# Altium PCB 电解模块主控板_V1.1_ZM_20211015.PcbDoc (part 2 of 2)
Units mm, origin at the board's own origin, x right, y up, seen from the top; angles counter-clockwise.
Board outline 95.22 x 89.27 mm, 2 copper layers (Top Layer, Bottom Layer); 544 components, 330 nets, 1583 pads, 0 vias.
Unrouted connection lines stored in the file: 971.
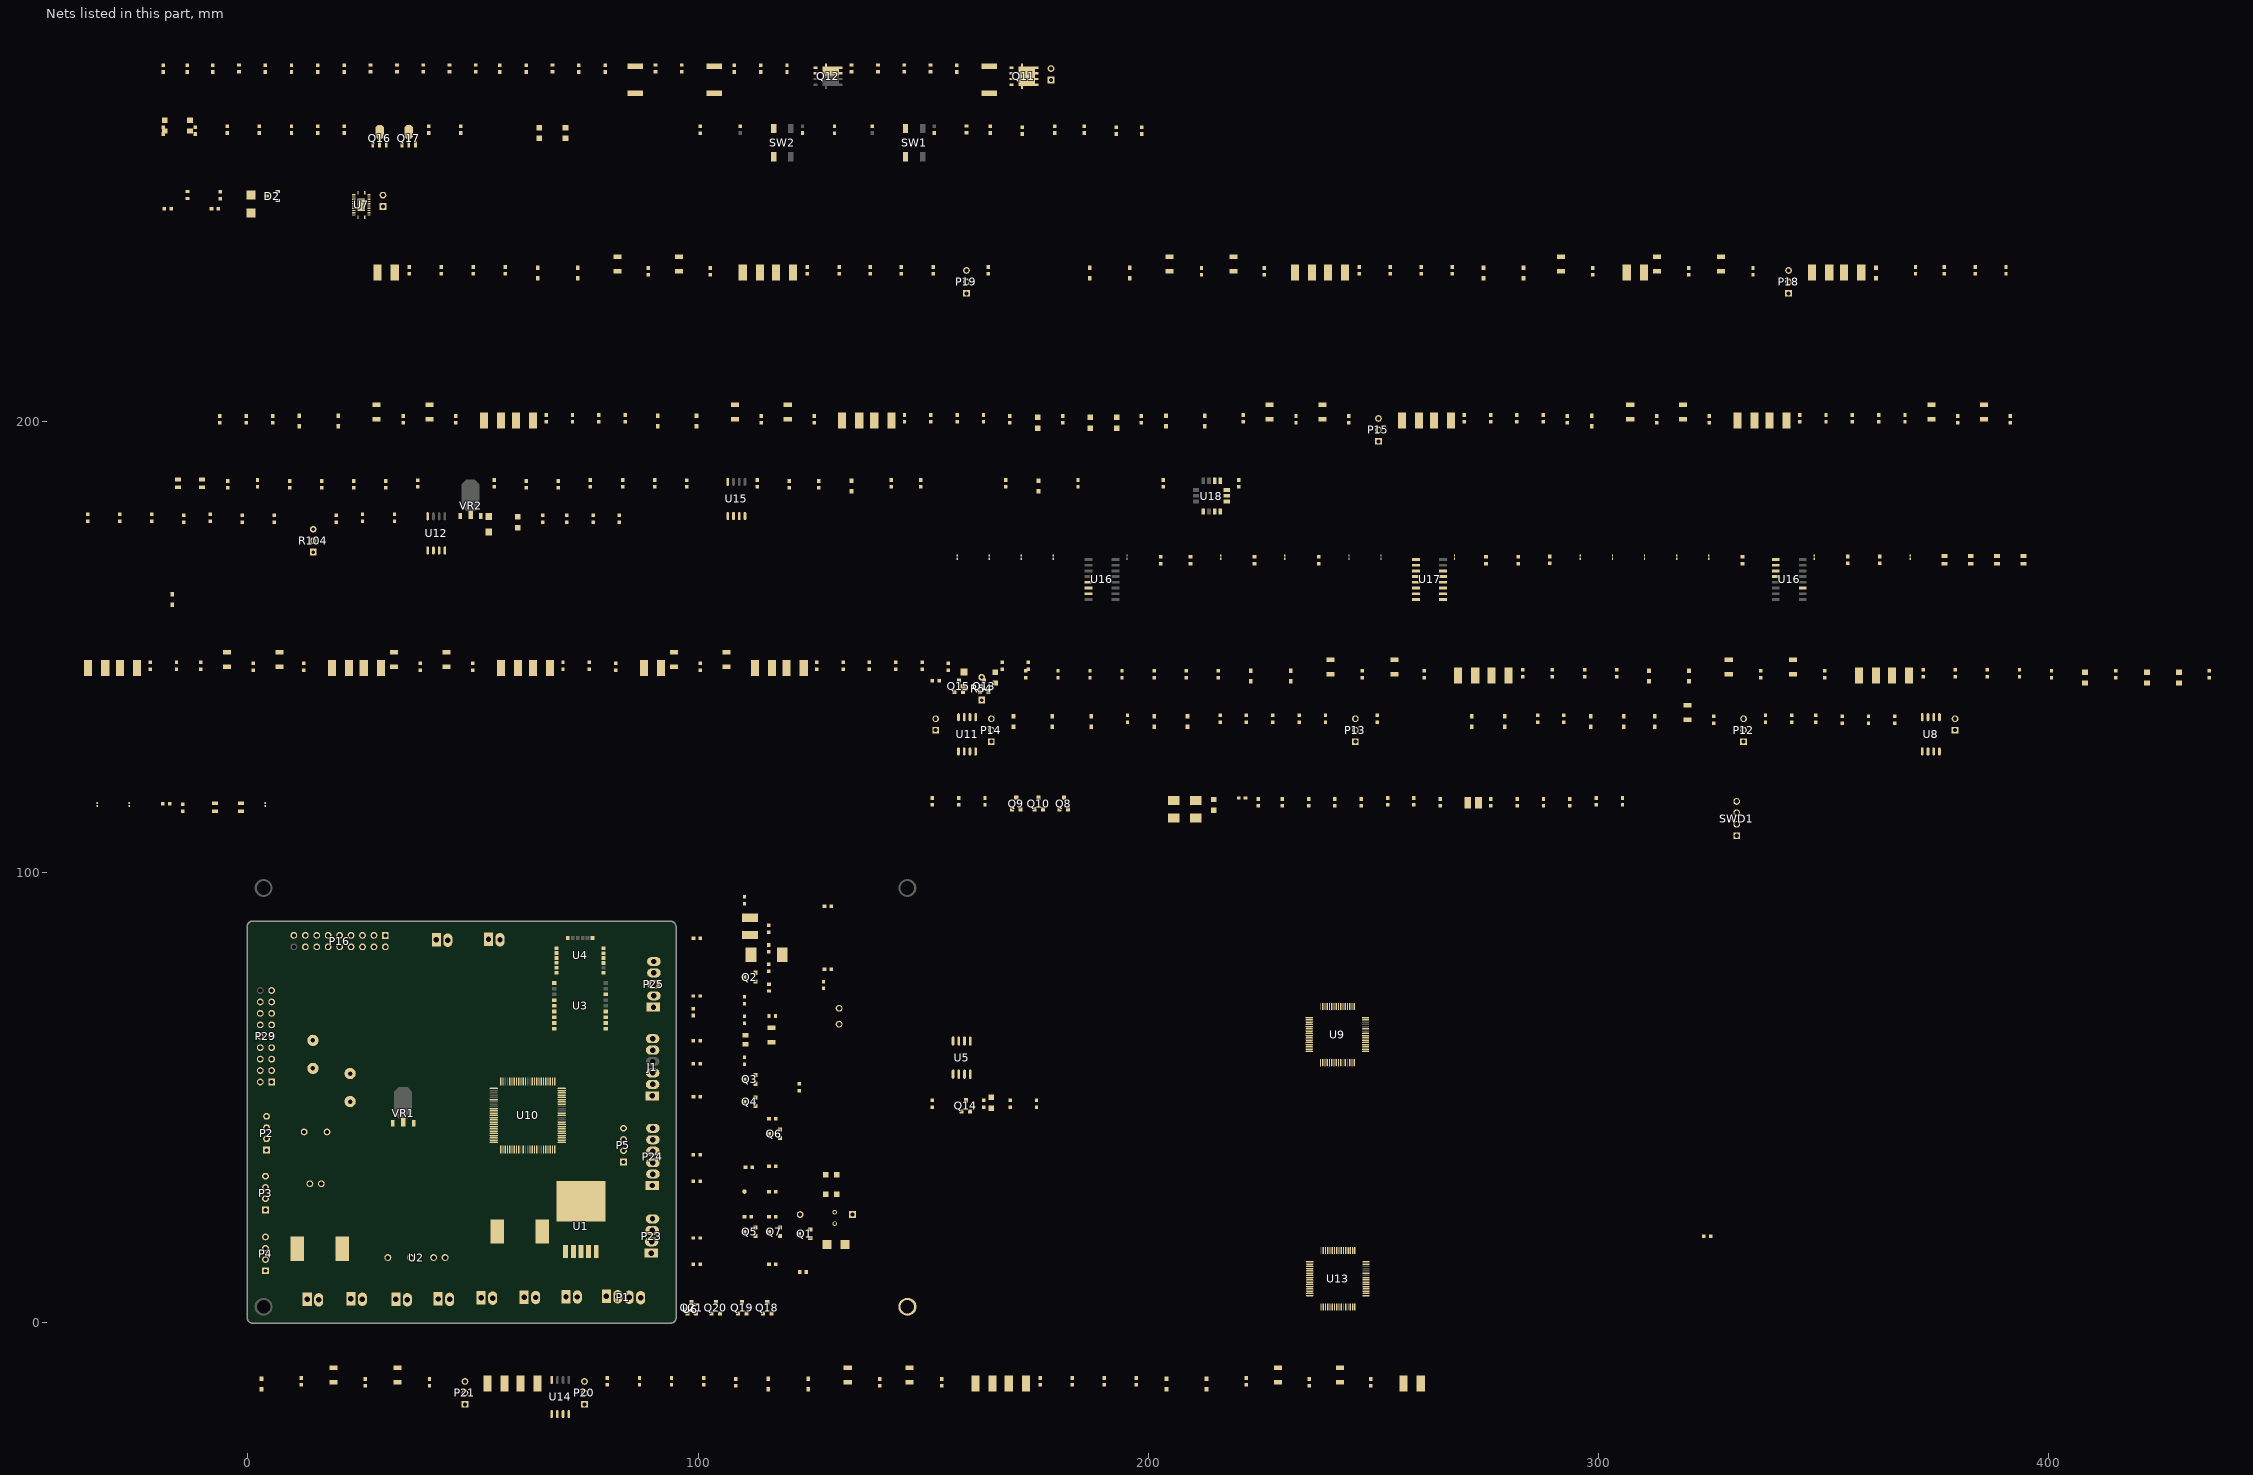
[diagram p2: the nets of this part, all layers, seen from the top]

## Part data
C1 C2 C8: library part CAP2, "电解电容"
C3 C4 C10 C13 C42 C43 C44 C46 C47 C48 C49 C53 C54 C58 C59 C60 C61 C62 C63 C64 C65 C66 C67 C68 C69 C70 C72 C73 C74 C75 C82 C83 C84 C85 C86 C87 C88 C89 C102 C103 C104 C105 C106 C107 C108 C109 C110 C111 C112 C113 C114 C115 C116 C117 C118 C119 C120 C121 C122 C123 C125 C126 C127 C128 C135 C136 C137 C138 C139 C140 C141 C142 C151 C153 C154 C167 C170 C171: library part CAP4, "贴片电容 10%"
C5 C6 C7 C11 C16 C17 C18 C35 C37 C38 C39 C40 C41 C45 C51 C52 C55 C56 C57 C71 C76 C77 C78 C79 C80 C81 C90 C91 C92 C93 C94 C95 C96 C97 C98 C99 C100 C101 C124 C129 C130 C131 C132 C133 C134 C143 C144 C145 C146 C147 C148 C149 C150 C152 C165 C166 C168 C169 NC: library part CAP4, "贴片电容 20%"
C9 C12 C14 C15 C21 C22 C23 C24 C25 C26 C27 C28 C29 C30 C31 C32 C33 C34 C155 C156 C157 C158 C159 C160 C161 C162 C163: library part CAP, "Capacitor"
C19 C20 C36 C50 C164: library part CAP4, "贴片电容 5%"
D1: library part D_ESD
D3 D4: library part DIODE
D5 D6: library part DIODE_LED, "Diode"
D7 D8: library part DIODE2, "二极管 M7"
DS1 DS2 DS3 DS4 DS5 DS6 DS7 DS8 DS9 DS10 DS11 DS12 DS13 DS14 DS15 DS16 DS17 DS18 DS19 DS20 DS21 DS22 DS23 DS24 DS25 DS26 DS27 DS28 DS29 DS30 DS31 DS32 DS33 DS34 DS35: library part DISCHARE-1, "气体放电管 90V"
F1: library part Inductor, "Inductor"
F2: library part "Fuse 1", "Fuse"
J1: library part CON6, "Connector"
JC1 JC2 JC3: "Connector"
L1 L4: library part IND
L3: library part CIZHU1, "磁珠电感 100R 100MHz"
LED1: library part LED0, "LED 3528 蓝"
LED2: library part LED
NC R9 R10 R11 R12 R19 R20 R21 R22 R34 R35 R36 R37 R38 R39 R40 R41 R42 R43 R44 R45 R46 R47 R48 R49 R50 R51 R52 R53 R55 R64 R71 R76 R78 R79 R83 R92 R101 R102 R103 R105 R110 R117 R122 R127 R136 R145 R180 R181 R182: library part RES2, "贴片电阻 5%"
P1 P23: library part SIP-4
P2 P3 P4 P5: library part HDR1*4
P6 P7 P8 P9 P26 P28: "Header, 2-Pin"
P10: library part RES3, "卧贴"
P11 P17: library part "Header 2", "Header, 2-Pin"
P12 P13 P14 P15 P18 P19 P20 P21: library part "Header 3", "Header, 3-Pin"
P16 P29: "Header, 9-Pin, Dual row"
P22 P27: library part SIP-2, "2.54mm- 2P立贴"
P24: library part SIP-6, "血压计接口"
P25: library part SIP-5, "心音传感器接口"
Q1 Q2 Q4 Q6: library part "MOSFET P", "MOSFET P"
Q3 Q5 Q7 Q8 Q9 Q10 Q13 Q14 Q15: library part NPN-1, "NPN"
Q11 Q12: library part SI7940DP
Q16 Q17: library part NPN-TO252, "NPN TO252"
Q18 Q19: library part PNP, "PNP"
Q20 Q21: library part NPN-1, "三极管"
R1 R2 R3 R4 R5 R6 R7 R13 R14 R15 R16 R17 R18 R183 R184 R185 R186: library part R, "贴片电阻 5%"
R8: library part RES
R23 R24 R146 R147 R148 R149 R150 R151 R152 R153 R154 R155 R156 R157 R158 R159 R160: library part R, "贴片电阻 1%"
R25 R26 R27 R28 R29 R30 R31 R32 R33 R56 R57 R58 R59: library part RES0, "贴片电阻 5%"
R54 R104: library part RES4, "可调电阻"
R60 R61 R62 R63 R65 R66 R67 R68 R69 R70 R72 R73 R74 R75 R77 R80 R81 R82 R84 R85 R86 R87 R88 R89 R90 R91 R93 R94 R95 R96 R97 R98 R99 R100 R106 R107 R108 R109 R111 R112 R113 R114 R115 R116 R118 R119 R120 R121 R123 R124 R125 R126 R128 R129 R130 R131 R132 R133 R134 R135 R137 R138 R139 R140 R141 R142 R143 R144: library part RES0, "贴片电阻 1%"
R161 R162 R165 R166 R167 R168 R169 R170 R171 R172 R173 R174 R175 R176 R177 R178 R179 RC1 RC2 RC3 RC4 RC5 RC6 RC7 RC8: library part RES2
R163 R164: library part RES-SMD
R187 R188 R189 R190: library part RES-SOP, "贴片电阻 5%"
SW1 SW2: "3*6*3.5侧贴按键(编带)"
SWD1: library part SIP-4, "ISP 下载"
TVS1 TVS2 TVS5 TVS6 TVS7 TVS8 TVS9 TVS10 TVS11 TVS12 TVS13 TVS14 TVS15 TVS16 TVS17 TVS18 TVS19 TVS20 TVS21 TVS22 TVS23 TVS24 TVS25 TVS26 TVS27 TVS28 TVS29 TVS30 TVS31 TVS32 TVS33 TVS34 TVS35 TVS36: library part TVS-S, "单向TVS"
TVS3 TVS4: library part TVS-1, "TVS"
TVS37 TVS39: "单向TVS"
TVS38 TVS40 TVS41 TVS42: library part TVS-1, "ESD二极管"
U1: library part LM2596
U2: library part B0505S
U3: library part E104-BT503, "E104-BT503"
U5: library part W25Q128FV
U6: library part REF3012
U8 U11 U12 U14 U15: library part LM358, "运放"
U10: library part STM32F405VGTx
U16 U17: library part TLC274, "Low Power Quad Operational Amplifier"
U16: library part TLC272, "Fast Settling Dual Operational Amplifier"
U18: library part MMR901, "压力传感器"
VR1 VR2: library part LM1117, "三端稳压器"
Y1: library part XTAL, "3225 贴片晶振"

## Free pads (board coordinates)
  round 4 hole 3: 0(3.5,3.5) 0(3.5,96.5) 0(146.5,3.5) 0(146.5,96.5)

## Nets (pads, with @x,y where several pads share a name; then routed paths per layer and width w, separated by ;. In a path a pad name is that pad's centre, name@x,y a point inside that pad or via, vN(x,y) a via of type N, cw(c..) or ccw(c..) an arc to the next point about the centre after c; other vN are vias at no path point)
ADC_SPO: J1.3 R163.2 R175.1 U10.33 U16.1@339.319,169.469 U16.2@339.319,168.199
ADS129X_CS: U9.39 U10.51
ADS129X_CS2: U10.45 U13.39
ADS129X_DIN: U9.34 U10.53 U13.34
ADS129X_DOUT: U9.43 U10.54 U13.43
ADS129X_DRDY: U9.47 U10.36
ADS129X_DRDY2: U10.46 U13.47
ADS129X_SCLK: U9.40 U10.52 U13.40
AV3.3: C167.2 C168.2 C169.2 C170.2 U18.1 VR2.2
AVDD: C11.2 C12.1 C35.2 C71.2 C90.2 C91.2 C92.2 C93.2 C94.2 C98.2 C124.2 C143.2 C144.2 C145.2 C146.2 C147.2 C171.2 R53.1 R71.1 R103.1 R117.1 U2.6 U8.8 U9.19 U9.21 U9.22 U9.54 U9.56 U9.59 U11.8 U12.8 U13.19 U13.21 U13.22 U13.54 U13.56 U13.59 U14.8 VR2.3
AVSS: C11.1 C12.2 C15.1 C35.1 C42.1 C43.1 C44.1 C46.1 C47.1 C48.1 C49.1 C53.1 C54.1 C58.1 C59.1 C60.1 C61.1 C62.1 C63.1 C64.1 C65.1 C66.1 C67.1 C68.1 C69.1 C70.1 C71.1 C72.1 C73.1 C74.1 C75.1 C76.1 C77.1 C78.1 C79.1 C80.1 C81.1 C82.1 C83.1 C84.1 C85.1 C86.1 C87.1 C88.1 C89.1 C90.1 C91.1 C92.1 C93.1 C94.1 C98.1 C102.1 C103.1 C104.1 C105.1 C106.1 C107.1 C108.1 C109.1 C110.1 C111.1 C112.1 C113.1 C114.1 C115.1 C116.1 C117.1 C118.1 C119.1 C120.1 C121.1 C122.1 C123.1 C124.1 C125.1 C126.1 C127.1 C128.1 C129.1 C130.1 C131.1 C132.1 C133.1 C134.1 C135.1 C136.1 C137.1 C138.1 C139.1 C140.1 C141.1 C142.1 C143.1 C144.1 C145.1 C146.1 C147.1 C167.1 C168.1 C169.1 C170.1 C171.1 DS2.2 DS3.2 DS4.2 DS5.2 DS6.2 DS7.2 DS8.2 DS9.2 DS10.2 DS11.2 DS12.2 DS13.2 DS14.2 DS15.2 DS16.2 DS17.2 DS18.2 DS19.2 DS20.2 DS21.2 DS22.2 DS23.2 DS24.2 DS25.2 DS26.2 DS27.2 DS28.2 DS29.2 DS30.2 DS31.2 DS32.2 DS33.2 DS34.2 DS35.2 R54.1 R76.2 R101.2 R104.1 R122.2 R145.2 TVS1.1 TVS2.1 TVS5.1 TVS6.1 TVS7.1 TVS8.1 TVS9.1 TVS10.1 TVS11.1 TVS12.1 TVS13.1 TVS14.1 TVS15.1 TVS16.1 TVS17.1 TVS18.1 TVS19.1 TVS20.1 TVS21.1 TVS22.1 TVS23.1 TVS24.1 TVS25.1 TVS26.1 TVS27.1 TVS28.1 TVS29.1 TVS30.1 TVS31.1 TVS32.1 TVS33.1 TVS34.1 TVS35.1 TVS36.1 U2.4 U8.4 U9.20 U9.23 U9.25 U9.31 U9.32 U9.53 U9.57 U9.58 U11.4 U12.4 U13.20 U13.23 U13.25 U13.31 U13.32 U13.53 U13.57 U13.58 U14.4 U18.3 U18.8 VR2.1
BDATA: U3.8 U4.17 U10.81
BDISC: U3.6 U10.83
BIAS_ELEC: P12.1 P13.1
BIAS_ELEC2: P18.1 P19.1
BIAS_SHD: U8.1 U8.2
BIAS_SHD2: U12.1 U12.2
BLINK: U3.7 U4.16 U10.82
BMOD: U3.4 U10.85
BREATH+: P23.2 R154.1 TVS40.1
BREATH-: P23.3 R152.1 TVS38.2
BREATH_OUT: C153.2 R153.2 U10.34
BRST: U3.22 U4.7 U10.78
BRXD: U3.19 U4.14 U10.69
BTXD: U3.18 U4.15 U10.68
BWKP: U3.5 U4.13 U10.84
CIN2P: P29.17 R111.1
CINN1: P16.2 R62.1
CINN2: P16.4 R69.1
CINN3: P16.6 R74.1
CINN4: P16.8 R81.1
CINN5: P16.10 R86.1
CINN6: P16.12 R90.1
CINN7: P16.14 R95.1
CINN8: P16.16 R99.1
CINN21: P29.2 R108.1
CINN22: P29.4 R115.1
CINN23: P29.6 R120.1
CINN24: P29.8 R125.1
CINN25: P29.10 R130.1
CINN26: P29.12 R134.1
CINN27: P29.14 R139.1
CINN28: P29.16 R143.1
CINP: P16.17 R65.1
CINP1: P16.1 R60.1
CINP2: P16.3 R67.1
CINP3: P16.5 R72.1
CINP4: P16.7 R77.1
CINP5: P16.9 R84.1
CINP6: P16.11 R88.1
CINP7: P16.13 R93.1
CINP8: P16.15 R97.1
CINP21: P29.1 R106.1
CINP22: P29.3 R113.1
CINP23: P29.5 R118.1
CINP24: P29.7 R123.1
CINP25: P29.9 R128.1
CINP26: P29.11 R132.1
CINP27: P29.13 R137.1
CINP28: P29.15 R141.1
DVDD: C95.2 C96.2 C97.2 C148.2 C149.2 C150.2 Q6.3 R83.1 R127.1 R158.2 R159.2 U9.48 U9.50 U9.52 U13.48 U13.50 U13.52
EARTH: C14.1 R8.2 TP1.1
GND: C1.2 C2.2 C3.1 C4.1 C5.1 C6.1 C7.1 C8.2 C9.2 C10.1 C13.1 C14.2 C15.2 C16.1 C17.1 C18.1 C19.2 C20.2 C21.2 C22.2 C24.2 C25.2 C26.2 C27.1 C30.2 C31.2 C32.2 C33.1 C34.2 C36.2 C38.1 C39.1 C40.1 C41.1 C45.1 C50.2 C51.1 C52.1 C55.1 C56.1 C57.1 C95.1 C96.1 C97.1 C100.1 C101.1 C148.1 C149.1 C150.1 C151.2 C152.1 C153.1 C154.1 C155.1 C160.2 C164.2 D1.2 D3.1 D4.1 DS1.2 J1.2 JC1.2 LED1.2 NC.2@-17.018,247.345 P1.1 P1.2 P2.1 P3.1 P4.1 P5.3 P10.2 P23.1 P24.4 P24.5 P25.1 P25.4 P28.1 Q1.1 Q3.2 Q5.2 Q7.2 Q8.2 Q9.2 Q10.2 Q14.2 Q16.3 Q17.3 R5.1 R8.1 R14.1 R18.1 R31.2 R32.2 R33.2 R41.1 R44.1 R46.1 R50.1 R51.2 R59.2 R79.1 R101.1 R145.1 R150.1 R155.1 R160.1 R164.2 R172.1 R178.2 R182.2 R189.2 R190.2 RC5.1 RC6.2 RC7.2 RC8.1 SWD1.3 TVS3.1 TVS4.1 TVS37.1 TVS38.1 TVS39.1 TVS40.2 TVS41.2 TVS42.2 U1.3 U1.5 U1.6 U2.2 U3.1 U3.9 U3.16 U4.1 U4.5 U4.6 U4.12 U4.18 U5.4 U6.3 U7.22 U7.23 U7.25 U9.33 U9.37 U9.38 U9.41 U9.49 U9.51 U10.10 U10.20 U10.27 U10.74 U10.99 U13.33 U13.37 U13.38 U13.41 U13.49 U13.51 U15.4 U16.11@345.341,163.119 U17.11 VR1.1
IN1N: C46.2 R63.2 TVS2.2 U9.15
IN1P: C43.2 R61.2 TVS1.2 U9.16
IN2N: C58.2 R70.2 TVS7.2 U9.13
IN2P: C53.2 R68.2 TVS6.2 U9.14
IN3N: C62.2 R75.2 TVS9.2 U9.11
IN3P: C60.2 R73.2 TVS8.2 U9.12
IN4N: C66.2 R82.2 TVS11.2 U9.9
IN4P: C64.2 R80.2 TVS10.2 U9.10
IN5N: C70.2 R87.2 TVS13.2 U9.7
IN5P: C68.2 R85.2 TVS12.2 U9.8
IN6N: C75.2 R91.2 TVS15.2 U9.5
IN6P: C73.2 R89.2 TVS14.2 U9.6
IN7N: C85.2 R96.2 TVS17.2 U9.3
IN7P: C83.2 R94.2 TVS16.2 U9.4
IN8N: C89.2 R100.2 TVS19.2 U9.1
IN8P: C87.2 R98.2 TVS18.2 U9.2
IN21N: C105.2 R109.2 TVS21.2 U13.15
IN21P: C103.2 R107.2 TVS20.2 U13.16
IN22N: C111.2 R116.2 TVS24.2 U13.13
IN22P: C109.2 R114.2 TVS23.2 U13.14
IN23N: C115.2 R121.2 TVS26.2 U13.11
IN23P: C113.2 R119.2 TVS25.2 U13.12
IN24N: C119.2 R126.2 TVS28.2 U13.9
IN24P: C117.2 R124.2 TVS27.2 U13.10
IN25N: C123.2 R131.2 TVS30.2 U13.7
IN25P: C121.2 R129.2 TVS29.2 U13.8
IN26N: C128.2 R135.2 TVS32.2 U13.5
IN26P: C126.2 R133.2 TVS31.2 U13.6
IN27N: C138.2 R140.2 TVS34.2 U13.3
IN27P: C136.2 R138.2 TVS33.2 U13.4
IN28N: C142.2 R144.2 TVS36.2 U13.1
IN28P: C140.2 R142.2 TVS35.2 U13.2
IRD: JC2.2 JC3.1 Q18.3 Q20.3 R162.1
KEY1: R186.2 TVS42.1 U10.93
KEY2: R184.2 TVS41.1 U10.92
LED1: R29.1 U10.55
LED2: R28.1 U10.56
LED_BLUE: U10.86
MMR_CS: U10.71 U18.5
MMR_DIN: U10.32 U18.4
MMR_DO: U10.31 U18.7
MMR_RD: U10.1 U18.6
MMR_SCLK: U10.30 U18.9
MOTOR: C166.2 R188.2 U10.95
NetBEEP1_1: BEEP1.1 R56.1 R58.2
NetBEEP1_2: BEEP1.2 Q14.3 R58.1
NetC2_1: C2.1 C4.2 F1.1 L1.2 U1.4
NetC19_1: C19.1 R24.1 U10.16
NetC20_1: C20.1 R23.1 U10.15
NetC22_1: C22.1 C23.2 C25.1 P9.1 Q12.1 R34.2 U7.2 U7.3 U7.5
NetC23_1: C23.1 Q11.5 Q11.6 R34.1 U7.6
NetC24_1: C24.1 R35.1
NetC27_2: C27.2 C28.2 L4.2 R40.1 U7.16
NetC29_1: C29.1 D4.2 L4.1 U7.1 U7.24
NetC29_2: C29.2 U7.21
NetC32_1: C32.1 R45.2 U7.4
NetC33_2: C33.2 U7.20
NetC34_1: C34.1 U7.11
NetC36_1: C36.1 U10.12 Y1.2
NetC37_1: C37.1 R55.1 U9.61
NetC37_2: C37.2 P12.2 R55.2 R64.1 U9.63
NetC38_2: C38.2 C41.2 U9.55
NetC39_2: C39.2 U10.49
NetC40_2: C40.2 R78.1 U10.14
NetC42_2: C42.2 DS2.1 R60.2 R61.1
NetC44_2: C44.2 DS3.1 R62.2 R63.1
NetC45_2: C45.2 U10.73
NetC47_2: C47.2 DS4.1 R65.2 R66.1
NetC48_2: C48.2 P11.2 R64.2 R66.2 TVS5.2
NetC49_2: C49.2 DS5.1 R67.2 R68.1
NetC50_1: C50.1 U10.13 Y1.1
NetC54_2: C54.2 DS6.1 R69.2 R70.1
NetC59_2: C59.2 DS7.1 R72.2 R73.1
NetC61_2: C61.2 DS8.1 R74.2 R75.1
NetC63_2: C63.2 DS9.1 R77.2 R80.1
NetC65_2: C65.2 DS10.1 R81.2 R82.1
NetC67_2: C67.2 DS11.1 R84.2 R85.1
NetC69_2: C69.2 DS12.1 R86.2 R87.1
NetC72_2: C72.2 DS13.1 R88.2 R89.1
NetC74_2: C74.2 DS14.1 R90.2 R91.1
NetC76_2: C76.2 C77.2 U9.24
NetC78_2: C78.2 U9.26
NetC79_2: C79.2 C80.2 U9.28
NetC81_2: C81.2 U9.30
NetC82_2: C82.2 DS15.1 R93.2 R94.1
NetC84_2: C84.2 DS16.1 R95.2 R96.1
NetC86_2: C86.2 DS17.1 R97.2 R98.1
NetC88_2: C88.2 DS18.1 R99.2 R100.1
NetC99_1: C99.1 R105.1 U13.61
NetC99_2: C99.2 P18.2 R105.2 R110.1 U13.63
NetC100_2: C100.2 C101.2 U13.55
NetC102_2: C102.2 DS19.1 R106.2 R107.1
NetC104_2: C104.2 DS20.1 R108.2 R109.1
NetC106_2: C106.2 DS21.1 R111.2 R112.1
NetC107_2: C107.2 P17.2 R110.2 R112.2 TVS22.2
NetC108_2: C108.2 DS22.1 R113.2 R114.1
NetC110_2: C110.2 DS23.1 R115.2 R116.1
NetC112_2: C112.2 DS24.1 R118.2 R119.1
NetC114_2: C114.2 DS25.1 R120.2 R121.1
NetC116_2: C116.2 DS26.1 R123.2 R124.1
NetC118_2: C118.2 DS27.1 R125.2 R126.1
NetC120_2: C120.2 DS28.1 R128.2 R129.1
NetC122_2: C122.2 DS29.1 R130.2 R131.1
NetC125_2: C125.2 DS30.1 R132.2 R133.1
NetC127_2: C127.2 DS31.1 R134.2 R135.1
NetC129_2: C129.2 C130.2 U13.24
NetC131_2: C131.2 U13.26
NetC132_2: C132.2 C133.2 U13.28
NetC134_2: C134.2 U13.30
NetC135_2: C135.2 DS32.1 R137.2 R138.1
NetC137_2: C137.2 DS33.1 R139.2 R140.1
NetC139_2: C139.2 DS34.1 R141.2 R142.1
NetC141_2: C141.2 DS35.1 R143.2 R144.1
NetC151_1: C151.1 R151.1 R152.2 U15.2
NetC154_2: C154.2 R154.2 R155.2 U15.3
NetC156_1: C156.1 R165.2 R174.1 U17.8
NetC156_2: C156.2 R170.2 U17.9
NetC157_1: C157.1 R167.2 R168.1 U17.14
NetC157_2: C157.2 C158.1 R176.1
NetC158_2: C158.2 R169.2 U16.3@339.319,166.929
NetC159_1: C159.1 C160.1 R165.1 R170.1
NetC159_2: C159.2 R173.1
NetC161_1: C161.1 C162.1 R176.2 U16.6@186.69,163.119 U16.7@186.69,161.849
NetC161_2: C161.2 C162.2 R168.2 R169.1
NetC163_1: C163.1 R173.2 R177.1 U17.7
NetC165_1: C165.1 Q16.1 R187.1 R189.1
NetC166_1: C166.1 Q17.1 R188.1 R190.1
NetD1_1: D1.1 F2.1 Q1.3
NetD2_3: D2.3 R45.1
NetD3_2: D3.2 L1.1 U1.2
NetD5_2: D5.2 R164.1
NetD6_2: D6.2 R163.1
NetD7_1: D7.1 P22.2 Q16.2
NetD8_1: D8.1 P27.2 Q17.2
NetDS1_1: DS1.1 P1.3 P1.4 Q1.2
NetJ1_5: J1.5 R162.2
NetJ1_6: J1.6 R161.2
NetL3_2: L3.2 U10.21 U10.22
NetLED1_1: LED1.1 R1.2
NetLED2_1: LED2.1 R49.2
NetNC_2: NC.2@-6.528,247.345 U5.1 U10.77
NetP2_2: P2.2 R20.1
NetP2_3: P2.3 R19.1
NetP3_2: P3.2 R22.1
NetP3_3: P3.3 R21.1
NetP4_2: P4.2 R11.1
NetP4_3: P4.3 R9.1
NetP5_1: P5.1 R12.1 TVS4.2
NetP5_2: P5.2 R10.1 TVS3.2
NetP6_1: P6.1 R25.1
NetP6_2: P6.2 Q8.3
NetP7_1: P7.1 R26.1
NetP7_2: P7.2 Q9.3
NetP8_1: P8.1 R27.1
NetP8_2: P8.2 Q10.3
NetP10_1: P10.1 R47.1 R50.2 U7.10
NetP11_1: P11.1 R52.1
NetP12_3: P12.3 P13.3 U9.62
NetP13_2: P13.2 U8.6 U8.7
NetP14_1: P14.1 P15.3
NetP14_2: P14.2 U9.17
NetP14_3: P14.3 U11.1 U11.2
NetP15_1: P15.1 U9.18
NetP15_2: P15.2 R92.1
NetP17_1: P17.1 R102.1
NetP18_3: P18.3 P19.3 U13.62
NetP19_2: P19.2 U11.6 U11.7
NetP20_1: P20.1 P21.3
NetP20_2: P20.2 U13.17
NetP20_3: P20.3 U14.1 U14.2
NetP21_1: P21.1 U13.18
NetP21_2: P21.2 R136.1
NetP25_2: P25.2 R150.2 TVS37.2 U10.29
NetP25_3: P25.3 TVS39.2 U10.39
NetQ2_1: Q2.1 R2.2 R3.2
NetQ3_1: Q3.1 R4.2 R5.2
NetQ3_3: Q3.3 R3.1
NetQ4_1: Q4.1 R6.2 R7.2
NetQ5_1: Q5.1 R13.2 R14.2
NetQ5_3: Q5.3 R7.1
NetQ6_1: Q6.1 R15.2 R16.2
NetQ7_1: Q7.1 R17.2 R18.2
NetQ7_3: Q7.3 R16.1
NetQ8_1: Q8.1 R28.2 R31.1
NetQ9_1: Q9.1 R29.2 R32.1
NetQ10_1: Q10.1 R30.2 R33.1
NetQ11_1: Q11.1 Q11.3 R36.1
NetQ11_2: Q11.2 Q11.4 R37.2
NetQ12_2: Q12.2 R39.2
NetQ13_2: pad.0@146.5,3.5 Q13.2 R156.1
NetQ13_3: Q13.3 R148.2 R149.1 U10.25
NetQ14_1: Q14.1 R57.2 R59.1
NetQ15_2: Q15.2 R146.2 R147.2 U10.26
NetQ15_3: Q15.3 R157.2
NetQ18_1: Q18.1 RC2.1
NetQ19_1: Q19.1 RC1.1
NetQ20_1: Q20.1 RC4.1 RC8.2
NetQ20_2: Q20.2 RC7.1
NetQ21_1: Q21.1 RC3.1 RC5.2
NetQ21_2: Q21.2 RC6.1
NetR36_2: R36.2 U7.7
NetR37_1: R37.1 U7.8
NetR38_1: R38.1 R41.2 U7.17
NetR39_1: R39.1 U7.19
NetR42_2: R42.2 R44.2 U7.13
NetR43_1: R43.1 R46.2 U7.18
NetR48_2: R48.2 R51.1 U7.14
NetR52_2: R52.2 U8.3
NetR53_2: R53.2 R54.2 R54.3 U9.60
NetR57_1: R57.1 U10.70
NetR71_2: R71.2 R76.1 U8.5
NetR79_2: R79.2 U10.94
NetR83_2: R83.2 U9.35 U9.36
NetR92_2: R92.2 U11.3
NetR102_2: R102.2 U12.3
NetR103_2: R103.2 R104.2 R104.3 U13.60
NetR117_2: R117.2 R122.1 U11.5
NetR127_2: R127.2 U13.35 U13.36
NetR136_2: R136.2 U14.3
NetR151_2: R151.2 R153.1 U15.1
NetR166_1: R166.1 R172.2 U17.3
NetR167_1: R167.1 R174.2 U17.13
NetR171_2: R171.2 U17.5
NetR175_2: R175.2 R178.1 U16.5@186.69,164.389
NetR179_2: R179.2 U17.10
NetR180_2: R180.2 R181.1 R182.1
NetR183_1: R183.1 SW1.1
NetR185_1: R185.1 SW2.1
NetU5_2: U5.2 U10.90
NetU5_5: U5.5 U10.91
NetU5_6: U5.6 U10.89
OUT1: RC1.2 U10.57
OUT2: RC2.2 U10.58
OUT3: RC4.2 U10.59
OUT4: RC3.2 U10.60
PD+: C163.2 P26.1 R177.2 U17.6
PD-: P26.2 R171.1 R179.1 U17.1 U17.2 U17.12
POW_EN_3.3V: R17.1 U10.42
POW_EN_5V: R13.1 U10.41
PRESS_EN: R4.1 U10.40
RD: JC2.1 JC3.2 Q19.3 Q21.3 R161.1
RXD: P24.2 R148.1
RXD2: R11.2 U10.48
RXD3: R12.2 U10.24
RXD4: R22.2 U10.79
RXD5: R20.2 U10.64
SWCLK: SWD1.4 U10.76
SWDIO: SWD1.2 U10.72
TA: R23.2 R158.1 R160.2
TB: JC1.1 R24.2 R159.1
TXD: P24.1 R147.1
TXD2: R9.2 U10.47
TXD3: R10.2 U10.23
TXD4: R21.2 U10.80
TXD5: R19.2 U10.63
V5.0: C9.1 C152.2 C155.2 D5.1 D6.1 J1.1 P23.4 P25.5 Q4.3 Q18.2 Q19.2 R56.2 R146.1 R149.2 R166.2 U2.1 U16.4@339.319,165.659 U17.4
V12: C6.2 C7.2 C8.1 D2.1 D7.2 D8.2 F2.2 P22.1 P27.1 Q11.7 Q11.8 R35.2 R43.2
V12_SYS: C1.1 C3.2 P9.2 Q2.2 R2.1 U1.1
V12_SYS_OUT: P24.3 P24.6 Q2.3
VALUE: C165.2 R187.2 U10.96
VBAT: C28.1 C30.1 C31.1 D2.2 P28.2 Q12.7 Q12.8 R40.2 R48.1 R180.1 U7.15
VBAT_ADC: C164.1 R181.2 U10.18
VBAT_STA: LED2.2 U7.9 U10.17
VCC_REF: C26.1 R38.2 R42.1 R47.2 R49.1 U7.12
VDD3V3: C5.2 C10.2 C16.2 C17.2 C18.2 C51.2 C52.2 C55.2 C56.2 C57.2 NC.1 P2.4 P3.4 P4.4 Q6.2 Q13.1 Q15.1 R1.1 R15.1 R78.2 R156.2 R157.1 SWD1.1 U3.17 U4.3 U4.4 U5.3 U5.7 U5.8 U10.6 U10.11 U10.19 U10.28 U10.50 U10.75 U10.100 U15.8 VR1.2
VDD3V3A: L3.1 U6.2
VDD5V: C13.2 C21.1 F1.2 P5.4 Q4.2 R6.1 R25.2 R26.2 R27.2 R30.1 U6.1 VR1.3
pads on no net: J1.4 P16.18 P29.18 Q12.3 Q12.4 Q12.5 Q12.6 R183.2 R184.1 R185.2 R186.1 SW1.2 SW2.2 U3.2 U3.3 U3.20 U3.21 U3.23 U3.24 U4.2 U4.8 U4.9 U4.10 U4.11 U9.27 U9.29 U9.42 U9.44 U9.45 U9.46 U9.64 U10.2 U10.3 U10.4 U10.5 U10.7 U10.8 U10.9 U10.35 U10.37 U10.38 U10.43 U10.44 U10.61 U10.62 U10.65 U10.66 U10.67 U10.87 U10.88 U10.97 U10.98 U12.5 U12.6 U12.7 U13.27 U13.29 U13.42 U13.44 U13.45 U13.46 U13.64 U14.5 U14.6 U14.7 U15.5 U15.6 U15.7 U16.1@186.69,169.469 U16.2@186.69,168.199 U16.3@186.69,166.929 U16.4@186.69,165.659 U16.5@339.319,164.389 U16.6@339.319,163.119 U16.7@339.319,161.849 U16.8 U16.9 U16.10 U16.11@192.713,163.119 U16.12 U16.13 U16.14 U16.15 U16.16 U17.15 U17.16 U18.2 U18.10 U18.11 U18.12 U18.13 U18.14 VR1.4 VR2.4

## Keep-outs
Keep-Out Layer:
  circle w0.127: c3.475,3.475 r3
  circle w0.127: c3.525,96.566 r3
  circle w0.127: c146.553,96.515 r3
  circle w0.127: c146.451,3.525 r3
  lines w0.254: -22.073,284.302 cw(c-21.931,283.161) -20.79,283.302 ; 0.746,100 148.746,100 ; 1,100 ccw(c1,99) 0,99 0,1 ccw(c1,1) 1,0 149,0 ccw(c149,1) 150,1 150,99
Mechanical 1:
  lines w0.254: 0.016,88 0.016,1 ccw(c1.016,1) 1.016,0 94,0 ; 0.016,88.011 cw(c1.016,88.011) 1.016,89.011 ; 0.762,89.011 94,89.011 ; 93.697,89.011 cw(c93.839,87.87) 94.98,88.011 ; 93.98,0 ccw(c93.98,1) 94.98,1 94.98,88

## Silkscreen, mask and mechanical layers (free items; w line width, h text height)
Top Overlay:
  circle w0.5: c3.5,3.5 r2.5
  circle w0.5: c3.5,96.5 r2.5
  circle w0.5: c146.5,96.5 r2.5
  circle w0.5: c146.5,3.5 r2.5
  text "电解" at 7.366,93.472 h2.03

## Text inside footprints (layer, text, board x,y; h text height)
C1: Top Overlay "+" at 15.748,31.521 h1.52
C2: Top Overlay "+" at 129.369,23.708 h1.52 r90
C8: Top Overlay "+" at 130.607,68.707 h1.52 r90
C155: Mechanical 1 "C9" at -13.843,113.3 h1.27 r90
C156: Mechanical 1 "C9" at 332.588,168.241 h1.27 r90
C157: Mechanical 1 "C9" at 275.641,168.241 h1.27 r90
C158: Mechanical 1 "C9" at 282.753,168.241 h1.27 r90
C159: Mechanical 1 "C9" at 238.481,168.241 h1.27 r90
C160: Mechanical 1 "C9" at 224.231,168.241 h1.27 r90
C161: Mechanical 1 "C9" at 203.403,168.241 h1.27 r90
C162: Mechanical 1 "C9" at 210.007,168.241 h1.27 r90
P16: Top Overlay "18" at 8.204,83.947 h1.27 r180; Top Overlay "17" at 8.204,86.487 h1.27 r180; Top Overlay "1" at 33.096,86.487 h1.27 r180; Top Overlay "2" at 33.604,83.947 h1.27 r180
P29: Top Overlay "18" at 3.277,75.768 h1.27 r90; Top Overlay "17" at 5.817,75.768 h1.27 r90; Top Overlay "1" at 5.817,50.876 h1.27 r90; Top Overlay "2" at 3.277,50.368 h1.27 r90
SW1: Mechanical 7 "1" at 147.986,258.628 h0.25 r90; Mechanical 7 "2" at 147.986,265.628 h0.25 r90
SW2: Mechanical 7 "1" at 118.7,258.628 h0.25 r90; Mechanical 7 "2" at 118.7,265.628 h0.25 r90
U2: Top Overlay "-Vout" at 35.814,18.872 h0.76 r270; Top Overlay "+Vin" at 43.434,18.237 h0.76 r270; Top Overlay "-Vin" at 40.894,18.237 h0.76 r270; Top Overlay "+Vout" at 30.734,18.872 h0.76 r270